# Altium PCB AD-FMComms3_revA.PcbDoc (part 1 of 6) (continued)
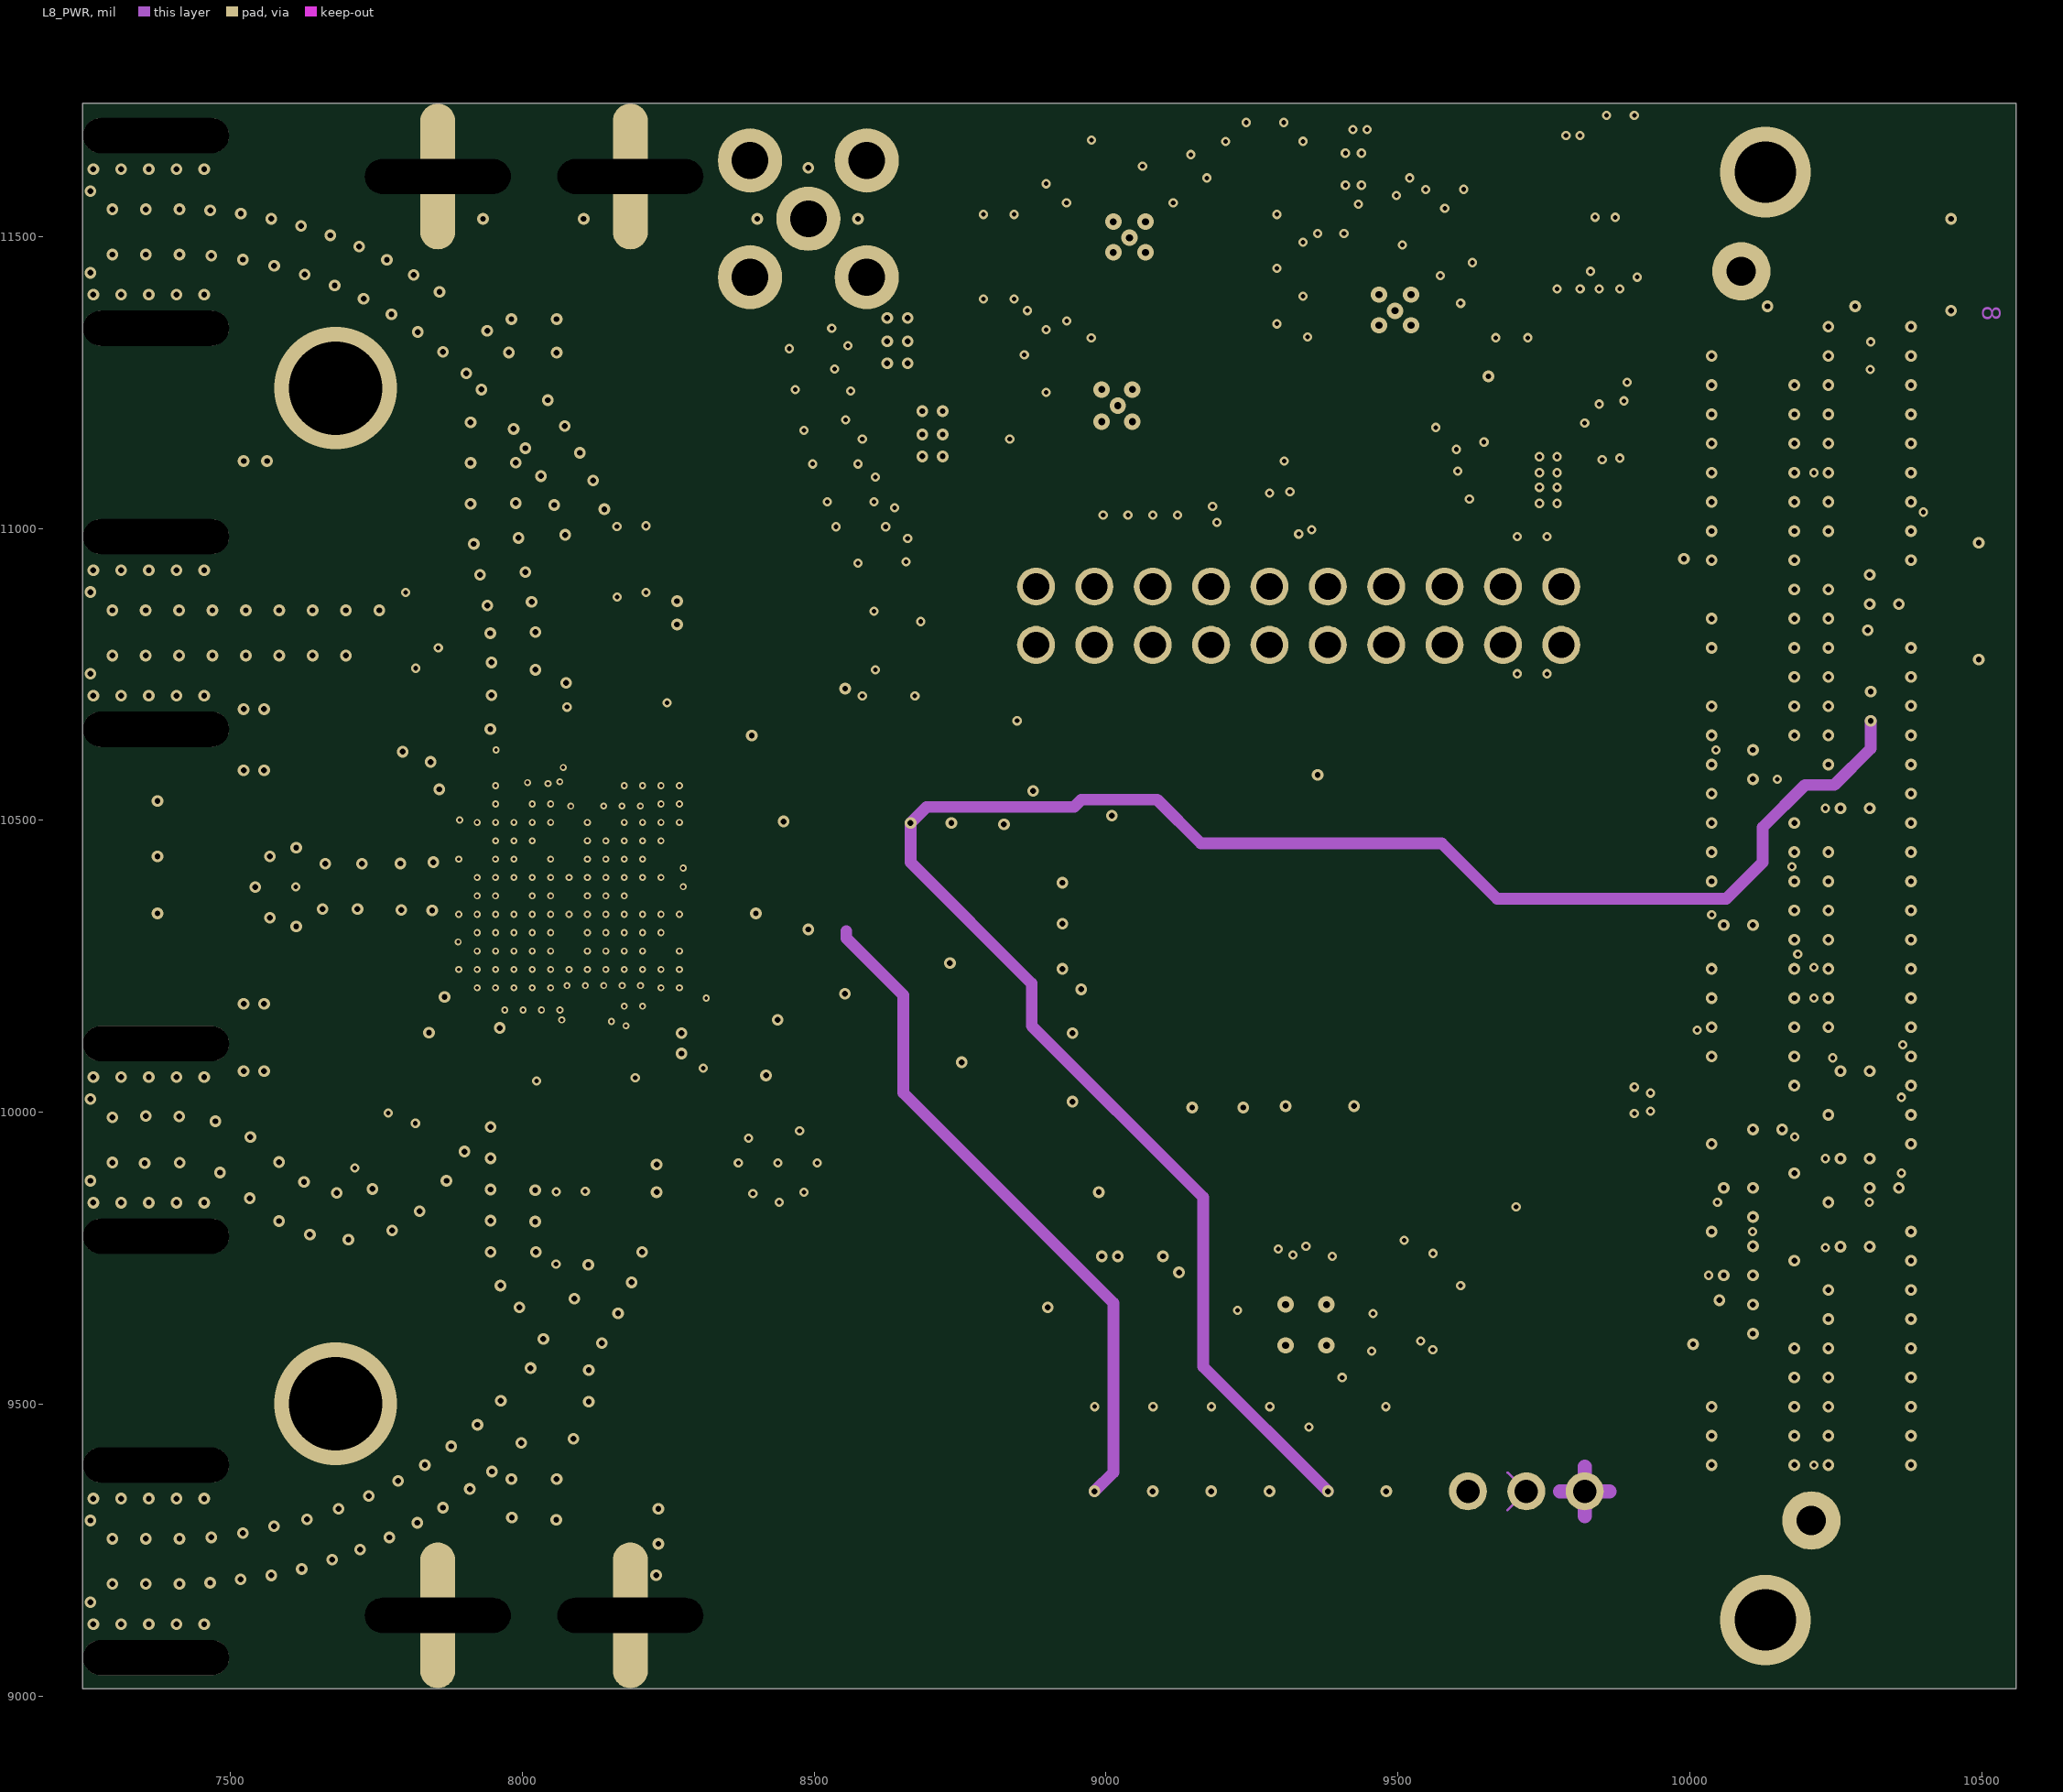
[diagram p8: L8_PWR]
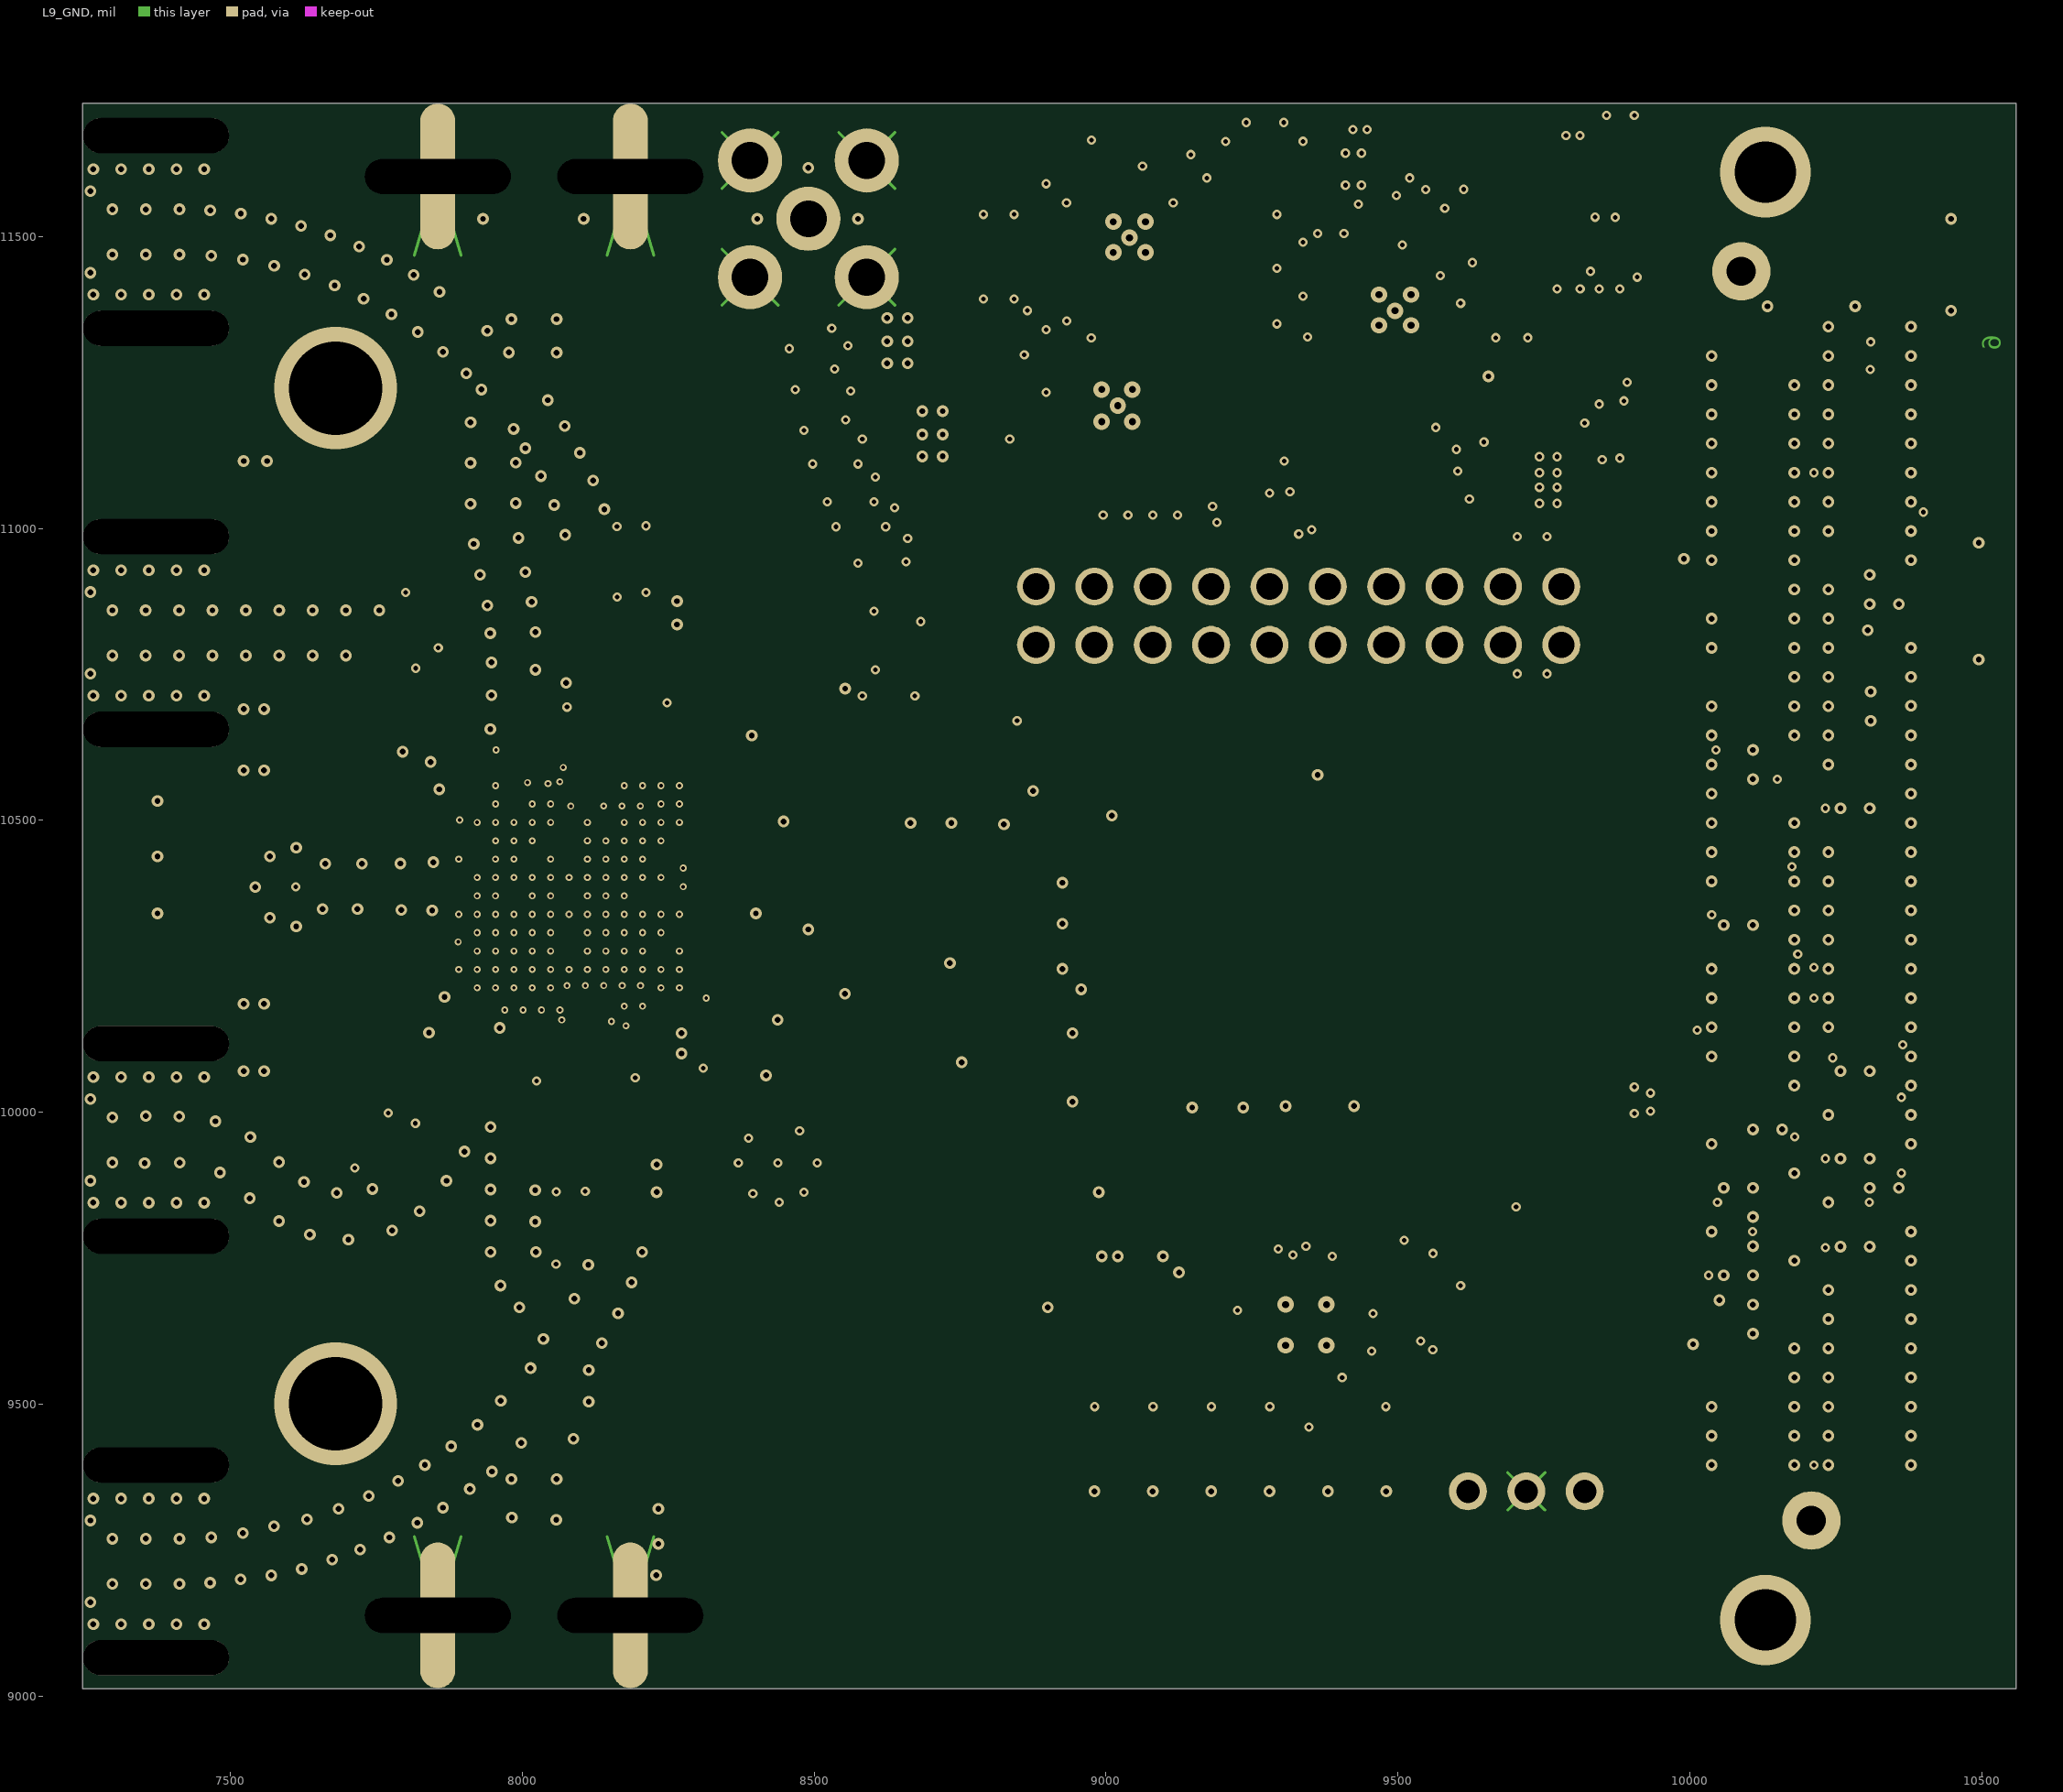
[diagram p9: L9_GND]

## Layer stack, top to bottom
Top Solder: solder mask 0.4, Solder Resist, Dk 3.5
TOP: signal copper 2.025
Dielectric 1: core 8, FR-4, Dk 3.38
L2_GND: signal copper 1.35
Dielectric2: core 3, BT_EPOXY, Dk 4.1
L3_PWR: signal copper 1.35
Dielectric3: core 3, FR-4, Dk 4.1
L4_GND: signal copper 1.35
Dielectric4: core 4.6, BT_EPOXY, Dk 4.1
L5_SIG: signal copper 1.35
Dielectric5: core 8, FR-4, Dk 4.1
L6_SIG: signal copper 1.35
Dielectric6: core 4.6, BT_EPOXY, Dk 4.1
L7_GND: signal copper 1.35
Dielectric7: core 3, FR-4, Dk 4.1
L8_PWR: signal copper 1.35
Dielectric8: core 3, BT_EPOXY, Dk 4.1
L9_GND: signal copper 1.35
Dielectric9: core 8, FR-4, Dk 3.38
BOTTOM: signal copper 2.025
Bottom Solder: solder mask 0.4, Solder Resist, Dk 3.5

## Board outline
7246.93,11728.41 10558.74,11728.41 10558.74,9011.87 7246.93,9011.87

## Design rules (kind name [scope] priority, off if disabled: settings)
Clearance [All] p1: gap=10 ignorepadtopadclearanceinfootprint=FALSE except(0: Arc-Hole Track-Hole SMDPad-Hole THPad-Hole Via-Hole Fill-Hole Poly-Hole Region-Hole Text-Hole)
DiffPairsRouting [All] p1: maxlimit=10 minlimit=10 mostfreqgap=10 toplayer_minwidth=15 toplayer_maxwidth=15 toplayer_prefwidth=15 midlayer1_minwidth=15 midlayer1_maxwidth=15 midlayer1_prefwidth=15 midlayer2_minwidth=15 midlayer2_maxwidth=15 midlayer2_prefwidth=15 midlayer3_minwidth=15 midlayer3_maxwidth=15 midlayer3_prefwidth=15 midlayer4_minwidth=15 midlayer4_maxwidth=15 midlayer4_prefwidth=15 midlayer5_minwidth=15 midlayer5_maxwidth=15 midlayer5_prefwidth=15 midlayer6_minwidth=15 midlayer6_maxwidth=15 midlayer6_prefwidth=15 midlayer7_minwidth=15 midlayer7_maxwidth=15 midlayer7_prefwidth=15 midlayer8_minwidth=15 midlayer8_maxwidth=15 midlayer8_prefwidth=15 bottomlayer_minwidth=15 bottomlayer_maxwidth=15 bottomlayer_prefwidth=15 maxuncoupledlength=500
PlaneConnect [All] p1: planeconnectstyle=Direct reliefexpansion=20 reliefentries=4 reliefconductorwidth=10 reliefairgap=10
PolygonConnect [All] p1: connectstyle=Direct reliefconductorwidth=10 reliefentries=4 polygonreliefangle="90 Angle" airgapwidth=10
RoutingVias [All] p1: holewidth=28 width=50 viastyle="Through Hole" minholewidth=28 minwidth=50 maxholewidth=28 maxwidth=50
SolderMaskExpansion [All] p1: expansion=4 istentingtop=FALSE
Width [All] p1: maxlimit=10 minlimit=10 preferedwidth=10 impedanceprofiledriven=TRUE minimp=60.000000 maximp=60.000000 favimp=60.000000
28 further rules are at their usual default settings.

## Classes and differential pairs
net class SINGLE-ENDED: CLK_OUT DATA_CLK_P RX1A_N RX1A_P RX2A_N RX2A_P RX_FRAME_P SYNC_IN TX1A_N TX1A_P TX2A_N TX2A_P XTALN
differential pair XTAL: +XTALN -XTALP
differential pair DIFFPAIR1: +TX2A_N -TX2A_P
differential pair DIFFPAIR14: +TX1A_N -TX1A_P
differential pair DIFFPAIR24: +TX_FRAME_N -TX_FRAME_P
differential pair DIFFPAIR30: +TX_D5_N -TX_D5_P
differential pair DIFFPAIR25: +TX_D4_N -TX_D4_P
differential pair DIFFPAIR26: +TX_D3_N -TX_D3_P
differential pair DIFFPAIR28: +TX_D2_N -TX_D2_P
differential pair DIFFPAIR29: +TX_D1_N -TX_D1_P
differential pair DIFFPAIR23: +TX_D0_N -TX_D0_P
differential pair DIFFPAIR3: +RX2A_N -RX2A_P
differential pair DIFFPAIR13: +RX1A_N -RX1A_P
differential pair DIFFPAIR16: +RX_FRAME_N -RX_FRAME_P
differential pair DIFFPAIR22: +RX_D5_N -RX_D5_P
differential pair DIFFPAIR15: +RX_D4_N -RX_D4_P
differential pair DIFFPAIR27: +RX_D3_N -RX_D3_P
differential pair DIFFPAIR20: +RX_D2_N -RX_D2_P
differential pair DIFFPAIR19: +RX_D1_N -RX_D1_P
differential pair DIFFPAIR18: +RX_D0_N -RX_D0_P
differential pair DIFFPAIR21: +FB_CLK_N -FB_CLK_P
differential pair DIFFPAIR17: +DATA_CLK_N -DATA_CLK_P

## Components (designator, comment, footprint, x,y, rotation, side; value= is the part's Value field where it differs from the comment)
C101 "CAP_SM-1000PF,25V,10,E006762,CB" C0201#1 8043.76,10596.74 r270 top
C102 "CAP_SM-1000PF,25V,10,E006762,CB" C0201#2 8011.25,10143 r65 top
C104 "CAP_SM-1000PF,25V,10,E006762,CB" C0201#1 8255,10228 r180 top
C105 "CAP_SM-1UF,6.3V,10,E007449,C04B" C0402 8330,10260.5 r180 top
C106 "CAP_SM-18PF,50V,5,E017960,C020A" C0201#1 7908.07,10642.81 r300 bottom
C107 "CAP_SM-18PF,50V,5,E017960,C020A" C0201#1 7873.43,10622.81 r300 bottom
C108 "CAP_SM-18PF,50V,5,E017960,C020A" C0201#1 7873.43,10118.19 r60 bottom
C109 "CAP_SM-18PF,50V,5,E017960,C020A" C0201#1 7908.07,10098.19 r60 bottom
C113 "CAP_SM-0.1UF,6.3V,10,E011567,CB" C0201#3 8512.21,10641.89 r165 top
C116 "CAP_SM-1000PF,25V,10,E006762,CB" C0201#1 7937.5,10389.78 r90 top
C117 "CAP_SM-1UF,6.3V,10,E007449,C04B" C0402 7835,10395.5 r180 top
C118 "CAP_SM-1000PF,25V,10,E006762,CB" C0201#1 8143.25,10610.76 r0 top
C119 "CAP_SM-10UF,6.3V,20,E007143,C0B" C0603 8143.25,10660.76 r180 top
C120 "CAP_SM-1000PF,25V,10,E006762,CB" C0201#1 8060,10055.5 r90 top
C121 "CAP_SM-10UF,6.3V,20,E007143,C0B" C0603 8105,10045.5 r270 top
C122 "CAP_SM-18PF,50V,5,E017960,C020A" C0201#1 8181.82,10738.26 r90 bottom
C123 "CAP_SM-18PF,50V,5,E017960,C020A" C0201#1 8141.82,10738.26 r90 bottom
C124 "CAP_SM-18PF,50V,5,E017960,C020A" C0201#1 8088.17,10015.74 r270 bottom
C125 "CAP_SM-18PF,50V,5,E017960,C020A" C0201#1 8128.17,10015.74 r270 bottom
C201 "CAP_SM-0.1UF,6.3V,10,E011567,CB" C0201#1 9800,11653 r0 top
C202 "CAP_SM-0.1UF,6.3V,10,E011567,CB" C0201#1 7935.75,10198.25 r0 top
C203 "CAP_SM-0.1UF,6.3V,10,E011567,CB" C0201#1 7880,10158 r90 top
C204 "CAP_SM-0.1UF,6.3V,10,E011567,CB" C0201#1 8075,10511.75 r180 top
C205 "CAP_SM-0.1UF,6.3V,10,E011567,CB" C0201#1 9702.5,9850.5 r90 top
C211 "CAP_SM-0.1UF,6.3V,10,E011567,CB" C0201#1 9522.5,9758 r180 top
C212 "CAP_SM-1UF,6.3V,10,E007449,C04B" C0402 9517.5,9635.5 r0 top
C213 "CAP_SM-10UF,6.3V,20,E007143,C0B" C0603 9542.5,9703 r0 top
C214 "CAP_SM-10UF,6.3V,20,E007143,C0B" C0603 9527.5,9560.5 r0 top
C301 "CAP_SM-10UF,6.3V,20,E007143,C0B" C0603 9600,11203 r270 top
C302 "CAP_SM-0.1UF,6.3V,10,E011567,CB" C0201#1 9550,11225.5 r270 top
C303 "CAP_SM-0.1UF,6.3V,10,E011567,CB" C0201#1 9647.5,11188 r270 top
C304 "CAP_SM-1UF,6.3V,10,E007449,C04B" C0402 9695,11348 r270 top
C305 "CAP_SM-47UF,6.3V,10,E008247,C0B" C0805H60 9275,11273 r270 top
C306 "CAP_SM-0.1UF,6.3V,10,E011567,CB" C0201#1 9305,11148 r270 top
C307 "CAP_SM-0.1UF,6.3V,10,E011567,CB" C0201#1 9345,11295.5 r90 top
C308 "CAP_SM-47UF,6.3V,10,E008247,C0B" C0805H60 9257.5,11398 r180 top
C309 "CAP_SM-47UF,6.3V,10,E008247,C0B" C0805H60 9257.5,11490.5 r180 top
C310 "CAP_SM-0.1UF,6.3V,10,E011567,CB" C0201#1 8965,11355.5 r180 top
C311 "CAP_SM-0.01UF,10V,10,E007201,CB" C0201#1 9040,11640.5 r0 top
C312 "CAP_SM-10UF,6.3V,20,E007143,C0B" C0603 8897.5,11525.5 r90 top
C313 "CAP_SM-10UF,6.3V,20,E007143,C0B" C0603 8897.5,11405.5 r270 top
C314 "CAP_SM-0.1UF,6.3V,10,E011567,CB" C0201#1 8790,11505.5 r90 top
C315 "CAP_SM-0.1UF,6.3V,10,E011567,CB" C0201#1 8842.5,11505.5 r90 top
C316 "CAP_SM-0.1UF,6.3V,10,E011567,CB" C0201#1 9407.5,11538 r270 top
C317 "CAP_SM-0.1UF,6.3V,10,E011567,CB" C0201#1 9362.5,11538 r270 top
C318 "CAP_SM-0.1UF,6.3V,10,E011567,CB" C0201#1 9172.5,11568 r90 top
C319 "CAP_SM-0.1UF,6.3V,10,E011567,CB" C0201#1 9865,11230.5 r90 top
C320 "CAP_SM-1UF,6.3V,10,E007449,C04B" C0402 8270,10165.5 r0 top
C321 "CAP_SM-0.01UF,10V,10,E007201,CB" C0201#1 8187.5,10233 r90 top
C322 "CAP_SM-0.01UF,10V,10,E007201,CB" C0201#1 7937.49,10328 r0 top
C323 "CAP_SM-1UF,6.3V,10,E007449,C04B" C0402 7870,10335.5 r90 top
C324 "CAP_SM-1UF,6.3V,10,E007449,C04B" C0402 7865,10240.5 r270 top
C325 "CAP_SM-0.01UF,10V,10,E007201,CB" C0201#1 7910.75,10258.26 r270 top
C326 "CAP_SM-0.01UF,10V,10,E007201,CB" C0201#1 7915,10523 r270 top
C327 "CAP_SM-1UF,6.3V,10,E007449,C04B" C0402 7882.5,10548 r90 top
C328 "CAP_SM-1UF,6.3V,10,E007449,C04B" C0402 7872.5,10455.5 r270 top
C329 "CAP_SM-0.01UF,10V,10,E007201,CB" C0201#1 7937.5,10448 r270 top
C330 "CAP_SM-0.01UF,10V,10,E007201,CB" C0201#1 8221,10353 r180 top
C331 "CAP_SM-1UF,6.3V,10,E007449,C04B" C0402 8307.5,10330.5 r270 top
C332 "CAP_SM-1UF,6.3V,10,E007449,C04B" C0402 7980,10586.75 r0 top
C333 "CAP_SM-0.01UF,10V,10,E007201,CB" C0201#1 7977.5,10528 r180 top
C334 "CAP_SM-0.01UF,10V,10,E007201,CB" C0201#1 8190,10540.5 r270 top
C335 "CAP_SM-1UF,6.3V,10,E007449,C04B" C0402 8145,10540.5 r270 top
C336 "CAP_SM-1UF,6.3V,10,E007449,C04B" C0402 8190,10115.5 r180 top
C337 "CAP_SM-0.01UF,10V,10,E007201,CB" C0201#1 8190,10158 r180 top
C338 "CAP_SM-0.1UF,6.3V,10,E011567,CB" C0201#1 8842.5,11425.5 r270 top
C339 "CAP_SM-0.1UF,6.3V,10,E011567,CB" C0201#1 8790,11425.5 r270 top
C340 "CAP_SM-0.01UF,10V,10,E007201,CB" C0201#1 8880,11210.5 r90 top
C341 "CAP_SM-10UF,6.3V,20,E007143,C0B" C0603 9202.5,11158 r0 top
C342 "CAP_SM-10UF,6.3V,20,E007143,C0B" C0603 9202.5,11100.5 r0 top
C343 "CAP_SM-0.1UF,6.3V,10,E011567,CB" C0201#1 9037.5,11055.5 r270 top
C344 "CAP_SM-0.1UF,6.3V,10,E011567,CB" C0201#1 9122.5,11055.5 r270 top
C345 "CAP_SM-0.1UF,6.3V,10,E011567,CB" C0201#1 9080,11055.5 r270 top
C346 "CAP_SM-0.1UF,6.3V,10,E011567,CB" C0201#1 8995,11055.5 r270 top
C347 "CAP_SM-0.1UF,6.3V,10,E011567,CB" C0201#1 9520,11633 r270 top
C348 "CAP_SM-0.1UF,6.3V,10,E011567,CB" C0201#1 9435,11663 r0 top
C354 "CAP_SM-1UF,6.3V,10,E007449,C04B" C0402 8365,10400.5 r270 bottom
C355 "CAP_SM-0.01UF,10V,10,E007201,CB" C0201#1 8325,10400.5 r270 bottom
C356 "CAP_SM-0.01UF,10V,10,E007201,CB" C0201#1 8260,10400.5 r270 top
C357 "CAP_SM-1UF,6.3V,10,E007449,C04B" C0402 8300,10415.5 r270 top
C358 "CAP_SM-1UF,6.3V,10,E007449,C04B" C0402 8092.5,10140.5 r270 top
C359 "CAP_SM-0.01UF,10V,10,E007201,CB" C0201#1 8130,10230.5 r90 top
C360 "CAP_SM-0.01UF,10V,10,E007201,CB" C0201#1 8110,10195.5 r180 top
C361 "CAP_SM-1UF,6.3V,10,E007449,C04B" C0402 8127.5,10140.5 r270 top
C362 "CAP_SM-10UF,6.3V,20,E007143,C0B" C0603 9580,11613 r270 top
C363 "CAP_SM-10UF,6.3V,20,E007143,C0B" C0603 9272.5,11663 r180 top
C364 "CAP_SM-0.1UF,6.3V,10,E011567,CB" C0201#1 9665,11050.5 r180 top
C365 "CAP_SM-10UF,6.3V,20,E007143,C0B" C0603 9672.5,11098 r180 top
DS21 "DIOLED_SM-LNJ308G8TRA (GREEN),B" LED0603 9297.5,11613 r0 bottom
E301 "FERRITE_SM-39OHM,N/A,E002359,LB" L0805 9177.5,11273 r90 top
E302 "FERRITE_SM-75OHM,25,E017348,L0B" L0402 9820,11230.5 r270 top
E303 "FERRITE_SM-75OHM,25,E017348,L0B" L0402 9402.5,11615.5 r180 top
E312 "FERRITE_SM-75OHM,25,E017348,L0B" L0402 9445,11615.5 r180 top
J101 "CNBNC5P_SM-JOHNSON142-0701-851B" CNJOHNSON142-0701-851#1 8020,11593 r90 top
J102 "CNBNC5P_SM-JOHNSON142-0701-851B" CNJOHNSON142-0701-851#1 8020,9148 r270 top
J105 "CNBNC5P_TH-142-0701-201,E00091B" CNJOHNSON142-0701-201 8490,11530.5 r0 bottom
J110 "CNBNC5P_SM-JOHNSON142-0701-851B" CNJOHNSON142-0701-851#2 7382.5,10821.03 r0 bottom
J111 "CNBNC5P_SM-JOHNSON142-0701-851B" CNJOHNSON142-0701-851#2 7382.5,9952.47 r0 bottom
J112 "CNBNC5P_SM-JOHNSON142-0701-851B" CNJOHNSON142-0701-851#2 7382.5,11508 r0 bottom
J113 "CNBNC5P_SM-JOHNSON142-0701-851B" CNJOHNSON142-0701-851#2 7382.5,9230.5 r0 bottom
L101 "IND_SM-330NH,5,E006599,L0805-FA" L0805-F#1 8237.79,10659 r0 bottom
L103 "IND_SM-330NH,5,E006599,L0805-FA" L0805-F#2 8079.79,10659.5 r0 bottom
L105 "IND_SM-330NH,5,E006599,L0805-FA" L0805-F#2 8032.2,10094 r0 bottom
L107 "IND_SM-330NH,5,E006599,L0805-FA" L0805-F#1 8190.2,10094.5 r0 bottom
L301 "IND_SM-2.2UH,20,E016651,LSMSQ1B" LSMSQ157H83 9427.5,11158 r180 top
L302 "IND_SM-0.47UH,30,E018627,L1210B" L1210H67 9735,11213 r90 top
P201 "CN160P_CDGH_SM-ASP-134604-01,EB" CNSAMTECASP-134604-01 10208.27,10364 r90 top
P202 "CN20P_TH-SSW-110-02-G-D,E00075B" CNBERGF2X10H335LD32 9330,10850.5 r0 bottom
P301 "CN3P_TH-SAMTECTSW10608GS3PIN,EB" CNBERG1X3H205LD36 9720,9350.5 r0 bottom
R101 "RES_SM-49.9,1/20W,1,E007693,R0B" R0201#1 7973.75,10714.25 r0 top
R102 "RES_SM-49.9,1/20W,1,E007693,R0B" R0201#1 7996.25,10028 r180 top
R103 "RES_SM-10K,1/20W,1,E004011,R02B" R0201#1 8075,10463 r180 top
R110 "RES_SM-49.9,1/20W,1,E007693,R0B" R0201#1 8480,11350.5 r0 top
R111 "RES_SM-10K,1/20W,1,E004011,R02B" R0201#1 8032.5,10413 r180 top
R121 "RES_SM-10,1/20W,1,E013982,R020A" R0201#1 8005,10649.24 r300 top
R122 "RES_SM-10,1/20W,1,E013982,R020A" R0201#1 7985,10076.75 r90 top
R123 "RES_SM-1,1/20W,1,E014056,R0201A" R0201#1 8315.75,10215.75 r0 top
R124 "RES_SM-1,1/20W,1,E014056,R0201A" R0201#1 7898.25,10390.75 r90 top
R125 "RES_SM-14.3K,1/20W,1,E014068,RB" R0201#1 7978.25,10643.25 r90 bottom
R201 "RES_SM-10K,1/20W,1,E004011,R02B" R0201#1 9692.5,10730.5 r0 top
R202 "RES_SM-10K,1/20W,1,E004011,R02B" R0201#1 9692.5,10965.5 r0 top
R203 "RES_SM-10K,1/20W,1,E004011,R02B" R0201#1 9767.5,10730.5 r180 top
R204 "RES_SM-10K,1/20W,1,E004011,R02B" R0201#1 9767.5,10965.5 r180 top
R205 "RES_SM-237,1/10W,1,E010703,R06B" R0603 9362.5,11545.5 r0 bottom
R206 "RES_SM-16K,1/20W,1,E019648,R02B" R0201#1 9392.5,9465.5 r0 top
R211 "RES_SM-2K,1/20W,1,E007220,R020A" R0201#1 9857.5,11675.5 r90 top
R212 "RES_SM-2K,1/20W,1,E007220,R020A" R0201#1 9905,11675.5 r90 top
R213 "RES_SM-10K,1/20W,1,E004011,R02B" R0201#1 9192.5,9410.5 r0 top
R214 "RES_SM-16K,1/20W,1,E019648,R02B" R0201#1 9192.5,9465.5 r0 top
R215 "RES_SM-10K,1/20W,1,E004011,R02B" R0201#1 9392.5,9408 r0 top
R217 "RES_SM-10K,1/20W,1,E004011,R02B" R0201#1 9092.5,9413 r0 top
R218 "RES_SM-16K,1/20W,1,E019648,R02B" R0201#1 9092.5,9465.5 r0 top
R219 "RES_SM-10K,1/20W,1,E004011,R02B" R0201#1 8992.5,9413 r0 top
R220 "RES_SM-16K,1/20W,1,E019648,R02B" R0201#1 8992.5,9465.5 r0 top
R221 "RES_SM-10K,1/20W,1,E004011,R02B" R0201#1 9467.5,9410.5 r180 top
R222 "RES_SM-16K,1/20W,1,E019648,R02B" R0201#1 9467.5,9465.5 r180 top
R223 "RES_SM-10K,1/20W,1,E004011,R02B" R0201#1 9292.5,9410.5 r0 top
R224 "RES_SM-16K,1/20W,1,E019648,R02B" R0201#1 9292.5,9465.5 r0 top
R225 "RES_SM-49.9,1/20W,1,E007693,R0B" R0201#2 10285,10695.5 r0 bottom
R226 "RES_SM-10K,1/20W,1,E004011,R02B" R0201#2 10285,10645.5 r0 bottom
R301 "RES_SM-10,1/20W,1,E013982,R020A" R0201#1 9637.5,11348 r270 top
R302 "RES_SM-10K,1/20W,1,E004011,R02B" R0201#1 9497.5,11538 r270 top
R303 "RES_SM-20K,1/20W,1,E004013,R02B" R0201#1 9452.5,11538 r90 top
R304 "RES_SM-10K,1/20W,1,E004011,R02B" R0201#1 9627.5,11423 r90 top
R305 "RES_SM-16K,1/20W,1,E019648,R02B" R0201#1 8897.5,11628 r270 top
R306 "RES_SM-10K,1/20W,1,E004011,R02B" R0201#1 9112.5,11640.5 r0 top
R307 "RES_SM-0,1/4W,0,E004448,R1206-A" R1206 8725,11400.5 r270 top
R308 "RES_SM-10K,1/20W,1,E004011,R02B" R0201#1 8867.5,11153 r0 top
R309 "RES_SM-16K,1/20W,1,E019648,R02B" R0201#1 8867.5,11110.5 r180 top
R310 "RES_SM-10K,1/20W,1,E004011,R02B" R0201#1 8880,11285.5 r90 top
R311 "RES_SM-0,1/4W,0,E004448,R1206-A" R1206 8785,11118 r90 top
R312 "RES_SM-10K,1/20W,1,E004011,R02B" R0201#1 8962.5,11640.5 r180 top